# Altium PCB PCB2.PcbDoc (part 5 of 16)
Units mil, origin at the board's own origin, x right, y up, seen from the top; angles counter-clockwise.
Board outline 9200.79 x 4350.6 mil, 4 copper layers (Top Layer, Layer 1, Layer 2, Bottom Layer), stack 23.756 mil thick; 1249 components, 1355 nets, 4549 pads, 1316 vias.
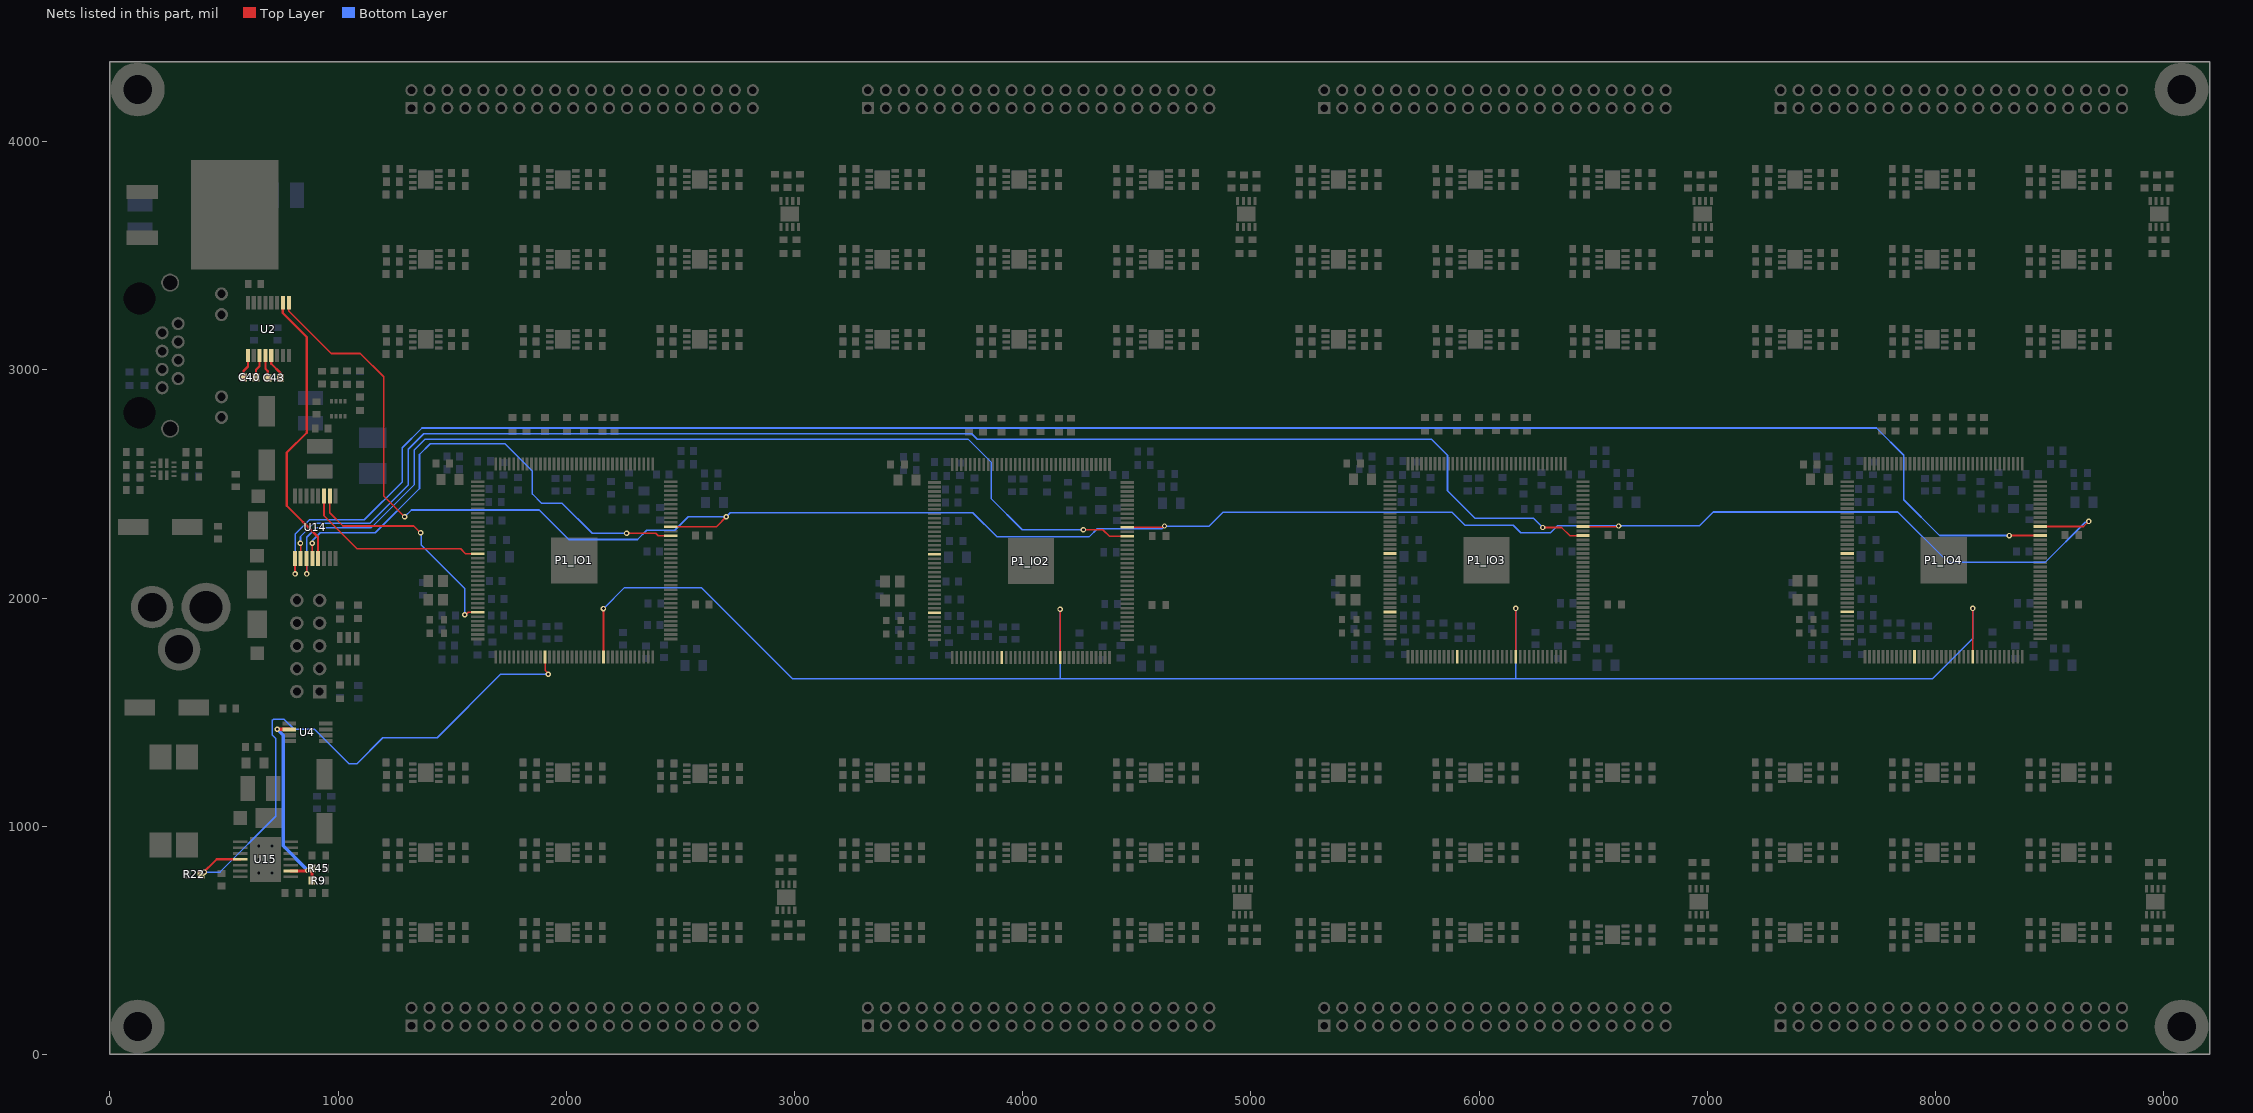
[diagram p7: the nets of this part, all layers, seen from the top]

## Part data
C1_IO1 C1_IO2 C1_IO3 C1_IO4 C4_POWER1 C4_POWER2 C4_POWER3 C4_POWER4 C5_POWER1 C5_POWER2 C5_POWER3 C5_POWER4 C6_POWER1 C6_POWER2 C6_POWER3 C6_POWER4 C9_POWER1 C9_POWER2 C9_POWER3 C9_POWER4 C12_POWER1 C12_POWER2 C12_POWER3 C12_POWER4 C13_POWER1 C13_POWER2 C13_POWER3 C13_POWER4 C15_POWER1 C15_POWER2 C15_POWER3 C15_POWER4 C16_POWER1 C16_POWER2 C16_POWER3 C16_POWER4 C17_POWER1 C17_POWER2 C17_POWER3 C17_POWER4 C23_POWER1 C23_POWER2 C23_POWER3 C23_POWER4 C24_POWER1 C24_POWER2 C24_POWER3 C24_POWER4 C45_POWER1 C45_POWER2 C45_POWER3 C45_POWER4 C48_POWER1 C48_POWER2 C48_POWER3 C48_POWER4 C49_POWER1 C49_POWER2 C49_POWER3 C49_POWER4 C51_POWER1 C51_POWER2 C51_POWER3 C51_POWER4 C52_POWER1 C52_POWER2 C52_POWER3 C52_POWER4 C57_POWER1 C57_POWER2 C57_POWER3 C57_POWER4 C58_POWER1 C58_POWER2 C58_POWER3 C58_POWER4 C59_POWER1 C59_POWER2 C59_POWER3 C59_POWER4 C60_POWER1 C60_POWER2 C60_POWER3 C60_POWER4 C61_POWER1 C61_POWER2 C61_POWER3 C61_POWER4 C62_POWER1 C62_POWER2 C62_POWER3 C62_POWER4 C64_POWER1 C64_POWER2 C64_POWER3 C64_POWER4 C65_POWER1 C65_POWER2 C65_POWER3 C65_POWER4 C66_POWER1 C66_POWER2 C66_POWER3 C66_POWER4 C67_POWER1 C67_POWER2 C67_POWER3 C67_POWER4: library part Cap, "Multilayer Ceramic Capacitors MLCC - SMD/SMT 0603 16VDC 0.1uF 10% X7R AEC-Q200", Mfr="Taiyo Yuden", Mfr Part No=EMK107B7104KAHT, Package=0603, PRICE=0.101, Stockiest=MOUSER, Stockiest Part No=963-EMK107B7104KAHT
C2_POWER1 C2_POWER2 C2_POWER3 C2_POWER4 C3_POWER1 C3_POWER2 C3_POWER3 C3_POWER4 C53_POWER1 C53_POWER2 C53_POWER3 C53_POWER4: library part Cap, "Multilayer Ceramic Capacitors MLCC - SMD/SMT 16V 0.01uF X7R 0603 10% AEC-Q200", Mfr=KEMET, Mfr Part No=C0603C103K4RECAUTO, Package=0603, PRICE=0.151, Stockiest=MOUSER, Stockiest Part No=80-C0603C103K4RECAUT
C7_POWER1 C7_POWER2 C7_POWER3 C7_POWER4 C47_POWER1 C47_POWER2 C47_POWER3 C47_POWER4 C54_POWER1 C54_POWER2 C54_POWER3 C54_POWER4 C68_POWER1 C68_POWER2 C68_POWER3 C68_POWER4: library part Cap, "Multilayer Ceramic Capacitors MLCC - SMD/SMT 16V 0.47uF 0603 X7R 5% AEC-Q200", Mfr=KEMET, Mfr Part No=C0603C474J4RACAUTO, Package=0603, PRICE=0.444, Stockiest=MOUSER, Stockiest Part No=80-C0603C474J4RAUTO
C8 C14 C19 C26 C27 C29: library part Cap, "Multilayer Ceramic Capacitors MLCC - SMD/SMT 1210 25VDC 22uF 20% X7R AEC-Q200", Mfr="Taiyo Yuden", Mfr Part No=TMK325B7226MMHP, Package=1210, PRICE=0.807, Stockiest=MOUSER, Stockiest Part No=963-TMK325B7226MMHP
C10_POWER1 C10_POWER2 C10_POWER3 C10_POWER4 C28 C46_POWER1 C46_POWER2 C46_POWER3 C46_POWER4 C55_POWER1 C55_POWER2 C55_POWER3 C55_POWER4 C69_POWER1 C69_POWER2 C69_POWER3 C69_POWER4 C70_POWER1 C70_POWER2 C70_POWER3 C70_POWER4: library part Cap, "Multilayer Ceramic Capacitors MLCC - SMD/SMT 0805 25VDC 10uF 20% X5R", Mfr="Taiyo Yuden", Mfr Part No=TMK212BBJ106MG-T, Package=0805, PRICE=0.232, Stockiest=MOUSER, Stockiest Part No=963-TMK212BBJ106MG-T
C11_POWER1 C11_POWER2 C11_POWER3 C11_POWER4 C56_POWER1 C56_POWER2 C56_POWER3 C56_POWER4 C71_POWER1 C71_POWER2 C71_POWER3 C71_POWER4 C72_POWER1 C72_POWER2 C72_POWER3 C72_POWER4: library part Cap, "Multilayer Ceramic Capacitors MLCC - SMD/SMT 1210 25VDC 22uF 20% X7R AEC-Q200", Mfr=TDK, Mfr Part No=C1608X5R1A226M080AC, Package=0603, PRICE=0.413, Stockiest=MOUSER, Stockiest Part No=810-C1608X5R1A226M
C18: library part Cap, "Multilayer Ceramic Capacitors MLCC - SMD/SMT 16volts 1uF X7R 10%", Mfr=KEMET, Mfr Part No=C0603C105K4RAC7411, Package=0603, PRICE=0.101, Stockiest=MOUSER, Stockiest Part No=80-C0603C105K4RLR
C20 C30 C31 C34_U_VoltageAmplifier11 C34_U_VoltageAmplifier12 C34_U_VoltageAmplifier13 C34_U_VoltageAmplifier14 C34_U_VoltageAmplifier21 C34_U_VoltageAmplifier22 C34_U_VoltageAmplifier23 C34_U_VoltageAmplifier24 C34_U_VoltageAmplifier31 C34_U_VoltageAmplifier32 C34_U_VoltageAmplifier33 C34_U_VoltageAmplifier34 C34_U_VoltageAmplifier41 C34_U_VoltageAmplifier42 C34_U_VoltageAmplifier43 C34_U_VoltageAmplifier44 C34_U_VoltageAmplifier51 C34_U_VoltageAmplifier52 C34_U_VoltageAmplifier53 C34_U_VoltageAmplifier54 C34_U_VoltageAmplifier61 C34_U_VoltageAmplifier62 C34_U_VoltageAmplifier63 C34_U_VoltageAmplifier64 C34_U_VoltageAmplifier71 C34_U_VoltageAmplifier72 C34_U_VoltageAmplifier73 C34_U_VoltageAmplifier74 C34_U_VoltageAmplifier81 C34_U_VoltageAmplifier82 C34_U_VoltageAmplifier83 C34_U_VoltageAmplifier84 C34_U_VoltageAmplifier91 C34_U_VoltageAmplifier92 C34_U_VoltageAmplifier93 C34_U_VoltageAmplifier94 C34_U_VoltageAmplifier101 C34_U_VoltageAmplifier102 C34_U_VoltageAmplifier103 C34_U_VoltageAmplifier104 C34_U_VoltageAmplifier111 C34_U_VoltageAmplifier112 C34_U_VoltageAmplifier113 C34_U_VoltageAmplifier114 C34_U_VoltageAmplifier121 C34_U_VoltageAmplifier122 C34_U_VoltageAmplifier123 C34_U_VoltageAmplifier124 C34_U_VoltageAmplifier131 C34_U_VoltageAmplifier132 C34_U_VoltageAmplifier133 C34_U_VoltageAmplifier134 C34_U_VoltageAmplifier141 C34_U_VoltageAmplifier142 C34_U_VoltageAmplifier143 C34_U_VoltageAmplifier144 C34_U_VoltageAmplifier151 C34_U_VoltageAmplifier152 C34_U_VoltageAmplifier153 C34_U_VoltageAmplifier154 C34_U_VoltageAmplifier161 C34_U_VoltageAmplifier162 C34_U_VoltageAmplifier163 C34_U_VoltageAmplifier164 C34_U_VoltageAmplifier171 C34_U_VoltageAmplifier172 C34_U_VoltageAmplifier173 C34_U_VoltageAmplifier174 C34_U_VoltageAmplifier181 C34_U_VoltageAmplifier182 C34_U_VoltageAmplifier183 C34_U_VoltageAmplifier184 C34_U_VoltageAmplifier191 C34_U_VoltageAmplifier192 C34_U_VoltageAmplifier193 C34_U_VoltageAmplifier194 C34_U_VoltageAmplifier201 C34_U_VoltageAmplifier202 C34_U_VoltageAmplifier203 C34_U_VoltageAmplifier204 C34_U_VoltageAmplifier211 C34_U_VoltageAmplifier212 C34_U_VoltageAmplifier213 C34_U_VoltageAmplifier214 C34_U_VoltageAmplifier221 C34_U_VoltageAmplifier222 C34_U_VoltageAmplifier223 C34_U_VoltageAmplifier224 C34_U_VoltageAmplifier231 C34_U_VoltageAmplifier232 C34_U_VoltageAmplifier233 C34_U_VoltageAmplifier234 C34_U_VoltageAmplifier241 C34_U_VoltageAmplifier242 C34_U_VoltageAmplifier243 C34_U_VoltageAmplifier244 C34_U_VoltageAmplifier251 C34_U_VoltageAmplifier252 C34_U_VoltageAmplifier253 C34_U_VoltageAmplifier254 C34_U_VoltageAmplifier261 C34_U_VoltageAmplifier262 C34_U_VoltageAmplifier263 C34_U_VoltageAmplifier264 C34_U_VoltageAmplifier271 C34_U_VoltageAmplifier272 C34_U_VoltageAmplifier273 C34_U_VoltageAmplifier274 C34_U_VoltageAmplifier281 C34_U_VoltageAmplifier282 C34_U_VoltageAmplifier283 C34_U_VoltageAmplifier284 C34_U_VoltageAmplifier291 C34_U_VoltageAmplifier292 C34_U_VoltageAmplifier293 C34_U_VoltageAmplifier294 C34_U_VoltageAmplifier301 C34_U_VoltageAmplifier302 C34_U_VoltageAmplifier303 C34_U_VoltageAmplifier304 C34_U_VoltageAmplifier311 C34_U_VoltageAmplifier312 C34_U_VoltageAmplifier313 C34_U_VoltageAmplifier314 C34_U_VoltageAmplifier321 C34_U_VoltageAmplifier322 C34_U_VoltageAmplifier323 C34_U_VoltageAmplifier324 C34_U_VoltageAmplifier331 C34_U_VoltageAmplifier332 C34_U_VoltageAmplifier333 C34_U_VoltageAmplifier334 C34_U_VoltageAmplifier341 C34_U_VoltageAmplifier342 C34_U_VoltageAmplifier343 C34_U_VoltageAmplifier344 C34_U_VoltageAmplifier351 C34_U_VoltageAmplifier352 C34_U_VoltageAmplifier353 C34_U_VoltageAmplifier354 C34_U_VoltageAmplifier361 C34_U_VoltageAmplifier362 C34_U_VoltageAmplifier363 C34_U_VoltageAmplifier364 C34_U_VoltageAmplifier371 C34_U_VoltageAmplifier372 C34_U_VoltageAmplifier373 C34_U_VoltageAmplifier374 C34_U_VoltageAmplifier381 C34_U_VoltageAmplifier382 C34_U_VoltageAmplifier383 C34_U_VoltageAmplifier384 C40 C41 C42 C43 C44: library part Cap, "Multilayer Ceramic Capacitors MLCC - SMD/SMT 50V 0.1uF 0603 X7R 20%", Mfr=KEMET, Mfr Part No=C0603C104M5RACTU, Package=0603, PRICE=0.101, Stockiest=MOUSER, Stockiest Part No=80-C0603C104M5R
C21: library part Cap, "Multilayer Ceramic Capacitors MLCC - SMD/SMT 63V 1000pF 0603 X7R 10% AEC-Q200", Mfr=KEMET, Mfr Part No=80-C0603C102KMREAUTO, Package=0603, PRICE=0.201, Stockiest=MOUSER, Stockiest Part No=C0603C102KMRECAUTO
C22: library part Cap, "Multilayer Ceramic Capacitors MLCC - SMD/SMT 0603 50VDC 6.8nF 5% C0G AEC-Q200", Mfr=TDK, Mfr Part No=CGA3E2C0G1H682J080AE, Package=0603, PRICE=0.363, Stockiest=MOUSER, Stockiest Part No=810-CGA3E2C0G1H682J8
C25 C36 C37 C38 C39: library part Cap, "Multilayer Ceramic Capacitors MLCC - SMD/SMT 50V 10pF 0603 C0G 5% AEC-Q200", Mfr=KEMET, Mfr Part No=C0603C100J5GACAUTO, Package=0603, PRICE=0.192, Stockiest=MOUSER, Stockiest Part No=80-C0603C100J5GAUTO
C32 C74 C75 C77 C78: library part Cap, "Multilayer Ceramic Capacitors MLCC - SMD/SMT 0603 2.2uF 20% 50VDC X5R", Mfr="Murata Electronics", Mfr Part No=GRM188R61H225ME11J, Package=0603, PRICE=0.333, Stockiest=MOUSER, Stockiest Part No=81-GRM188R61H225ME1J
C33 C73 C76 C79: library part "Cap Pol1", "Polarized Capacitor (Radial)", Mfr=Panasonic, Mfr Part No=EEE-FN1J100L, Package=SMD, PRICE=0.484, Stockiest=MOUSER, Stockiest Part No=667-EEE-FN1J100L
C35 C63: library part Cap, "Multilayer Ceramic Capacitors MLCC - SMD/SMT 50V 0.047uF 0603 X7R 10%", Mfr=KEMET, Mfr Part No=C0603C473K5RAC7411, Package=0603, PRICE=0.121, Stockiest=MOUSER, Stockiest Part No=80-C0603C473K5RLR
D1_IO1 D1_IO2 D1_IO3 D1_IO4 D2_IO1 D2_IO2 D2_IO3 D2_IO4 D3: library part LED, "Standard LEDs - SMD Red 631nm 14mcd 5mA", Mfr=Lite-On, Mfr Part No=LTST-C193KRKT-5A, Package=0603, PRICE=0.393, Stockiest=MOUSER, Stockiest Part No=859-LTSTC193KRKT5A
D4 D5 D6 D7: "Schottky Diodes & Rectifiers 8A 100V", Mfr="Vishay General Semiconductor", Mfr Part No=V8PAM10S-M3/H, PRICE=0.39, Stockiest=MOUSER, Stockiest Part No=78-V8PAM10S-M3/H
J1: "Modular Connectors / Ethernet Connectors R/A RJ45 SHEILDED 8 CONT Y/G LEDS", Mfr="Amphenol Commercial Products", Mfr Part No=RJHSE-5381, PRICE=1.77, Stockiest=MOUSER, Stockiest Part No=523-RJHSE-5381
J2: "Connector", Manufacturer_Name="CUI Devices", Mouser Part Number=490-PJ-002BH, Arrow Part Number=PJ-002BH, Arrow Price/Stock=https://www.arrow.com/en/products/pj-002bh/cui-devices, Datasheet Link=https://componentsearchengine.com/Datasheets/1/PJ-002BH.pdf, Height=11mm, Manufacturer_Part_Number=PJ-002BH, Mouser Price/Stock=https://www.mouser.co.uk/ProductDetail/CUI-Devices/PJ-002BH?qs=WyjlAZoYn51nOX1h%2FqpLlg%3D%3D
L1_POWER1 L1_POWER2 L1_POWER3 L1_POWER4 L3_POWER1 L3_POWER2 L3_POWER3 L3_POWER4: library part 0805_IND, "Ferrite Beads 100ohms 1A 60mOhms 0603 Ferrite Chip", Mfr=TDK, Mfr Part No=MPZ1608D101BTA00, Package=0603, PRICE=0.10, Stockiest=MOUSER, Stockiest Part No=810-MPZ1608D101BTA00
L4: library part INDUCTOR, "Fixed Inductors 2.2uH 20% High Temp AEC-Q200", Mfr="Vishay / Dale", Mfr Part No=IHLP1616BZER2R2M5A, PRICE=1.36, Stockiest=MOUSER, Stockiest Part No=70-IHLP1616BZR2R2M5A
L6: library part INDUCTOR, "Fixed Inductors 22uH 2.9A 20% SMD PWR INDUCTOR", Mfr=Sumida, Mfr Part No=CDRH124NP-220MC, PRICE=1.42, Stockiest=MOUSER, Stockiest Part No=851-CDRH124NP-220MC
P1_IO1 P1_IO2 P1_IO3 P1_IO4: "FPGA - Field Programmable Gate Array non-volatile FPGA, 101 I/O, 144EQFP", Mfr="Intel / Altera", Mfr Part No=10M04SCE144C8G, Package=EQFP144, PRICE=11.52, Stockiest=MOUSER, Stockiest Part No=989-10M04SCE144C8G
P3: library part "Header 5X2", "Header, 5-Pin, Dual row", Stockiest=MOUSER
P_E_1 P_E_2 P_E_3 P_E_4 P_O_1 P_O_2 P_O_3 P_O_4: "Headers & Wire Housings 2X20 POS VERT TIN", Mfr="TE Connectivity / AMP", Mfr Part No=2-826942-0, Package=DIN, PRICE=2.5, Stockiest=MOUSER, Stockiest Part No=571-2-826942-0
R1_IO1 R1_IO2 R1_IO3 R1_IO4 R2_IO1 R2_IO2 R2_IO3 R2_IO4 R3_IO1 R3_IO2 R3_IO3 R3_IO4 R4_IO1 R4_IO2 R4_IO3 R4_IO4 R5_IO1 R5_IO2 R5_IO3 R5_IO4 R6_IO1 R6_IO2 R6_IO3 R6_IO4 R7_IO1 R7_IO2 R7_IO3 R7_IO4 R10 R11 R17 R22 R23 R24 R25 R30 R31 R32 R33 R34 R37 R44: library part Res1, "Thick Film Resistors - SMD 0603 10Kohms 1% Anti-Sulfur AEC-Q200", Mfr="ROHM Semiconductor", Mfr Part No=SFR03EZPF1002, Package=0603, PRICE=0.101, Stockiest=MOUSER, Stockiest Part No=755-SFR03EZPF1002
R8_IO1 R8_IO2 R8_IO3 R8_IO4 R21_IO1 R21_IO2 R21_IO3 R21_IO4: library part Res1, "Thick Film Resistors - SMD 1/10Watt 220ohms 5% Commercial Use", Mfr="Vishay / Dale", Mfr Part No=CRCW0603220RJNEAC, Package=0603, PRICE=0.101, Stockiest=MOUSER, Stockiest Part No=71-CRCW0603220RJNEAC
R9: library part Res1, "Thin Film Resistors - SMD 50.5kOhm,0603,0.1%,2 5ppm,63mW,50V", Mfr="KOA Speer", Mfr Part No=RN731JTTD5052B25, Package=0603, PRICE=0.8, Stockiest=MOUSER, Stockiest Part No=660-RN731JTTD5052B25
R12 R13_IO1 R13_IO2 R13_IO3 R13_IO4 R26_U_VoltageAmplifier11 R26_U_VoltageAmplifier12 R26_U_VoltageAmplifier13 R26_U_VoltageAmplifier14 R26_U_VoltageAmplifier21 R26_U_VoltageAmplifier22 R26_U_VoltageAmplifier23 R26_U_VoltageAmplifier24 R26_U_VoltageAmplifier31 R26_U_VoltageAmplifier32 R26_U_VoltageAmplifier33 R26_U_VoltageAmplifier34 R26_U_VoltageAmplifier41 R26_U_VoltageAmplifier42 R26_U_VoltageAmplifier43 R26_U_VoltageAmplifier44 R26_U_VoltageAmplifier51 R26_U_VoltageAmplifier52 R26_U_VoltageAmplifier53 R26_U_VoltageAmplifier54 R26_U_VoltageAmplifier61 R26_U_VoltageAmplifier62 R26_U_VoltageAmplifier63 R26_U_VoltageAmplifier64 R26_U_VoltageAmplifier71 R26_U_VoltageAmplifier72 R26_U_VoltageAmplifier73 R26_U_VoltageAmplifier74 R26_U_VoltageAmplifier81 R26_U_VoltageAmplifier82 R26_U_VoltageAmplifier83 R26_U_VoltageAmplifier84 R26_U_VoltageAmplifier91 R26_U_VoltageAmplifier92 R26_U_VoltageAmplifier93 R26_U_VoltageAmplifier94 R26_U_VoltageAmplifier101 R26_U_VoltageAmplifier102 R26_U_VoltageAmplifier103 R26_U_VoltageAmplifier104 R26_U_VoltageAmplifier111 R26_U_VoltageAmplifier112 R26_U_VoltageAmplifier113 R26_U_VoltageAmplifier114 R26_U_VoltageAmplifier121 R26_U_VoltageAmplifier122 R26_U_VoltageAmplifier123 R26_U_VoltageAmplifier124 R26_U_VoltageAmplifier131 R26_U_VoltageAmplifier132 R26_U_VoltageAmplifier133 R26_U_VoltageAmplifier134 R26_U_VoltageAmplifier141 R26_U_VoltageAmplifier142 R26_U_VoltageAmplifier143 R26_U_VoltageAmplifier144 R26_U_VoltageAmplifier151 R26_U_VoltageAmplifier152 R26_U_VoltageAmplifier153 R26_U_VoltageAmplifier154 R26_U_VoltageAmplifier161 R26_U_VoltageAmplifier162 R26_U_VoltageAmplifier163 R26_U_VoltageAmplifier164 R26_U_VoltageAmplifier171 R26_U_VoltageAmplifier172 R26_U_VoltageAmplifier173 R26_U_VoltageAmplifier174 R26_U_VoltageAmplifier181 R26_U_VoltageAmplifier182 R26_U_VoltageAmplifier183 R26_U_VoltageAmplifier184 R26_U_VoltageAmplifier191 R26_U_VoltageAmplifier192 R26_U_VoltageAmplifier193 R26_U_VoltageAmplifier194 R26_U_VoltageAmplifier201 R26_U_VoltageAmplifier202 R26_U_VoltageAmplifier203 R26_U_VoltageAmplifier204 R26_U_VoltageAmplifier211 R26_U_VoltageAmplifier212 R26_U_VoltageAmplifier213 R26_U_VoltageAmplifier214 R26_U_VoltageAmplifier221 R26_U_VoltageAmplifier222 R26_U_VoltageAmplifier223 R26_U_VoltageAmplifier224 R26_U_VoltageAmplifier231 R26_U_VoltageAmplifier232 R26_U_VoltageAmplifier233 R26_U_VoltageAmplifier234 R26_U_VoltageAmplifier241 R26_U_VoltageAmplifier242 R26_U_VoltageAmplifier243 R26_U_VoltageAmplifier244 R26_U_VoltageAmplifier251 R26_U_VoltageAmplifier252 R26_U_VoltageAmplifier253 R26_U_VoltageAmplifier254 R26_U_VoltageAmplifier261 R26_U_VoltageAmplifier262 R26_U_VoltageAmplifier263 R26_U_VoltageAmplifier264 R26_U_VoltageAmplifier271 R26_U_VoltageAmplifier272 R26_U_VoltageAmplifier273 R26_U_VoltageAmplifier274 R26_U_VoltageAmplifier281 R26_U_VoltageAmplifier282 R26_U_VoltageAmplifier283 R26_U_VoltageAmplifier284 R26_U_VoltageAmplifier291 R26_U_VoltageAmplifier292 R26_U_VoltageAmplifier293 R26_U_VoltageAmplifier294 R26_U_VoltageAmplifier301 R26_U_VoltageAmplifier302 R26_U_VoltageAmplifier303 R26_U_VoltageAmplifier304 R26_U_VoltageAmplifier311 R26_U_VoltageAmplifier312 R26_U_VoltageAmplifier313 R26_U_VoltageAmplifier314 R26_U_VoltageAmplifier321 R26_U_VoltageAmplifier322 R26_U_VoltageAmplifier323 R26_U_VoltageAmplifier324 R26_U_VoltageAmplifier331 R26_U_VoltageAmplifier332 R26_U_VoltageAmplifier333 R26_U_VoltageAmplifier334 R26_U_VoltageAmplifier341 R26_U_VoltageAmplifier342 R26_U_VoltageAmplifier343 R26_U_VoltageAmplifier344 R26_U_VoltageAmplifier351 R26_U_VoltageAmplifier352 R26_U_VoltageAmplifier353 R26_U_VoltageAmplifier354 R26_U_VoltageAmplifier361 R26_U_VoltageAmplifier362 R26_U_VoltageAmplifier363 R26_U_VoltageAmplifier364 R26_U_VoltageAmplifier371 R26_U_VoltageAmplifier372 R26_U_VoltageAmplifier373 R26_U_VoltageAmplifier374 R26_U_VoltageAmplifier381 R26_U_VoltageAmplifier382 R26_U_VoltageAmplifier383 R26_U_VoltageAmplifier384 R28_U_VoltageAmplifier11 R28_U_VoltageAmplifier12 R28_U_VoltageAmplifier13 R28_U_VoltageAmplifier14 R28_U_VoltageAmplifier21 R28_U_VoltageAmplifier22 R28_U_VoltageAmplifier23 R28_U_VoltageAmplifier24 R28_U_VoltageAmplifier31 R28_U_VoltageAmplifier32 R28_U_VoltageAmplifier33 R28_U_VoltageAmplifier34 R28_U_VoltageAmplifier41 R28_U_VoltageAmplifier42 R28_U_VoltageAmplifier43 R28_U_VoltageAmplifier44 R28_U_VoltageAmplifier51 R28_U_VoltageAmplifier52 R28_U_VoltageAmplifier53 R28_U_VoltageAmplifier54 R28_U_VoltageAmplifier61 R28_U_VoltageAmplifier62 R28_U_VoltageAmplifier63 R28_U_VoltageAmplifier64 R28_U_VoltageAmplifier71 R28_U_VoltageAmplifier72 R28_U_VoltageAmplifier73 R28_U_VoltageAmplifier74 R28_U_VoltageAmplifier81 R28_U_VoltageAmplifier82 R28_U_VoltageAmplifier83 R28_U_VoltageAmplifier84 R28_U_VoltageAmplifier91 R28_U_VoltageAmplifier92 R28_U_VoltageAmplifier93 R28_U_VoltageAmplifier94 R28_U_VoltageAmplifier101 R28_U_VoltageAmplifier102 R28_U_VoltageAmplifier103 R28_U_VoltageAmplifier104 R28_U_VoltageAmplifier111 R28_U_VoltageAmplifier112 R28_U_VoltageAmplifier113 R28_U_VoltageAmplifier114 R28_U_VoltageAmplifier121 R28_U_VoltageAmplifier122 R28_U_VoltageAmplifier123 R28_U_VoltageAmplifier124 R28_U_VoltageAmplifier131 R28_U_VoltageAmplifier132 R28_U_VoltageAmplifier133 R28_U_VoltageAmplifier134 R28_U_VoltageAmplifier141 R28_U_VoltageAmplifier142 R28_U_VoltageAmplifier143 R28_U_VoltageAmplifier144 R28_U_VoltageAmplifier151 R28_U_VoltageAmplifier152 R28_U_VoltageAmplifier153 R28_U_VoltageAmplifier154 R28_U_VoltageAmplifier161 R28_U_VoltageAmplifier162 R28_U_VoltageAmplifier163 R28_U_VoltageAmplifier164 R28_U_VoltageAmplifier171 R28_U_VoltageAmplifier172 R28_U_VoltageAmplifier173 R28_U_VoltageAmplifier174 R28_U_VoltageAmplifier181 R28_U_VoltageAmplifier182 R28_U_VoltageAmplifier183 R28_U_VoltageAmplifier184 R28_U_VoltageAmplifier191 R28_U_VoltageAmplifier192 R28_U_VoltageAmplifier193 R28_U_VoltageAmplifier194 R28_U_VoltageAmplifier201 R28_U_VoltageAmplifier202 R28_U_VoltageAmplifier203 R28_U_VoltageAmplifier204 R28_U_VoltageAmplifier211 R28_U_VoltageAmplifier212 R28_U_VoltageAmplifier213 R28_U_VoltageAmplifier214 R28_U_VoltageAmplifier221 R28_U_VoltageAmplifier222 R28_U_VoltageAmplifier223 R28_U_VoltageAmplifier224 R28_U_VoltageAmplifier231 R28_U_VoltageAmplifier232 R28_U_VoltageAmplifier233 R28_U_VoltageAmplifier234 R28_U_VoltageAmplifier241 R28_U_VoltageAmplifier242 R28_U_VoltageAmplifier243 R28_U_VoltageAmplifier244 R28_U_VoltageAmplifier251 R28_U_VoltageAmplifier252 R28_U_VoltageAmplifier253 R28_U_VoltageAmplifier254 R28_U_VoltageAmplifier261 R28_U_VoltageAmplifier262 R28_U_VoltageAmplifier263 R28_U_VoltageAmplifier264 R28_U_VoltageAmplifier271 R28_U_VoltageAmplifier272 R28_U_VoltageAmplifier273 R28_U_VoltageAmplifier274 R28_U_VoltageAmplifier281 R28_U_VoltageAmplifier282 R28_U_VoltageAmplifier283 R28_U_VoltageAmplifier284 R28_U_VoltageAmplifier291 R28_U_VoltageAmplifier292 R28_U_VoltageAmplifier293 R28_U_VoltageAmplifier294 R28_U_VoltageAmplifier301 R28_U_VoltageAmplifier302 R28_U_VoltageAmplifier303 R28_U_VoltageAmplifier304 R28_U_VoltageAmplifier311 R28_U_VoltageAmplifier312 R28_U_VoltageAmplifier313 R28_U_VoltageAmplifier314 R28_U_VoltageAmplifier321 R28_U_VoltageAmplifier322 R28_U_VoltageAmplifier323 R28_U_VoltageAmplifier324 R28_U_VoltageAmplifier331 R28_U_VoltageAmplifier332 R28_U_VoltageAmplifier333 R28_U_VoltageAmplifier334 R28_U_VoltageAmplifier341 R28_U_VoltageAmplifier342 R28_U_VoltageAmplifier343 R28_U_VoltageAmplifier344 R28_U_VoltageAmplifier351 R28_U_VoltageAmplifier352 R28_U_VoltageAmplifier353 R28_U_VoltageAmplifier354 R28_U_VoltageAmplifier361 R28_U_VoltageAmplifier362 R28_U_VoltageAmplifier363 R28_U_VoltageAmplifier364 R28_U_VoltageAmplifier371 R28_U_VoltageAmplifier372 R28_U_VoltageAmplifier373 R28_U_VoltageAmplifier374 R28_U_VoltageAmplifier381 R28_U_VoltageAmplifier382 R28_U_VoltageAmplifier383 R28_U_VoltageAmplifier384 R38 R43 R49: library part Res1, "Resistor", Mfr="Vishay / Dale", Mfr Part No=CRCW06031K00FKEAC, Package=0603, PRICE=0.1, Stockiest=MOUSER, Stockiest Part No=71-CRCW06031K00FKEAC
R14_IO1 R14_IO2 R14_IO3 R14_IO4 R20_IO1 R20_IO2 R20_IO3 R20_IO4: library part Res1, "Thick Film Resistors - SMD 1/10Watt 4.7Kohms 5% Commercial Use", Mfr="Vishay / Dale", Mfr Part No=CRCW06034K70JNEAC, Package=0603, PRICE=0.101, Stockiest=MOUSER, Stockiest Part No=71-CRCW06034K70JNEAC
R15: library part Res1, "Thick Film Resistors - SMD 0603 1% 604Kohm Anti-Sulfur AEC-Q200", Mfr=Panasonic, Mfr Part No=ERJ-U03F6043V, Package=0603, PRICE=0.221, Stockiest=MOUSER, Stockiest Part No=667-ERJ-U03F6043V
R16: library part Res1, "Thick Film Resistors - SMD 0603 0.25W 1% 20ohm AEC-Q200", Mfr=Panasonic, Mfr Part No=ERJ-UP3F20R0V, Package=0603, PRICE=0.262, Stockiest=MOUSER, Stockiest Part No=667-ERJ-UP3F20R0V
R18 R36 R42: library part Res1, "Thick Film Resistors - SMD 0603 Anti-Surge Res. 0.1%, 40.2Koh", Mfr=Panasonic, Mfr Part No=ERJ-PB3B4022V, Package=0603, PRICE=0.252, Stockiest=MOUSER, Stockiest Part No=667-ERJ-PB3B4022V
R19: library part Res1, "Thick Film Resistors - SMD 0603 Anti-Surge Res. 0.1%, 7.68Koh", Mfr=Panasonic, Mfr Part No=ERJ-PB3B7681V, Package=0603, PRICE=0.252, Stockiest=MOUSER, Stockiest Part No=667-ERJ-PB3B7681V
R27_U_VoltageAmplifier11 R27_U_VoltageAmplifier12 R27_U_VoltageAmplifier13 R27_U_VoltageAmplifier14 R27_U_VoltageAmplifier21 R27_U_VoltageAmplifier22 R27_U_VoltageAmplifier23 R27_U_VoltageAmplifier24 R27_U_VoltageAmplifier31 R27_U_VoltageAmplifier32 R27_U_VoltageAmplifier33 R27_U_VoltageAmplifier34 R27_U_VoltageAmplifier41 R27_U_VoltageAmplifier42 R27_U_VoltageAmplifier43 R27_U_VoltageAmplifier44 R27_U_VoltageAmplifier51 R27_U_VoltageAmplifier52 R27_U_VoltageAmplifier53 R27_U_VoltageAmplifier54 R27_U_VoltageAmplifier61 R27_U_VoltageAmplifier62 R27_U_VoltageAmplifier63 R27_U_VoltageAmplifier64 R27_U_VoltageAmplifier71 R27_U_VoltageAmplifier72 R27_U_VoltageAmplifier73 R27_U_VoltageAmplifier74 R27_U_VoltageAmplifier81 R27_U_VoltageAmplifier82 R27_U_VoltageAmplifier83 R27_U_VoltageAmplifier84 R27_U_VoltageAmplifier91 R27_U_VoltageAmplifier92 R27_U_VoltageAmplifier93 R27_U_VoltageAmplifier94 R27_U_VoltageAmplifier101 R27_U_VoltageAmplifier102 R27_U_VoltageAmplifier103 R27_U_VoltageAmplifier104 R27_U_VoltageAmplifier111 R27_U_VoltageAmplifier112 R27_U_VoltageAmplifier113 R27_U_VoltageAmplifier114 R27_U_VoltageAmplifier121 R27_U_VoltageAmplifier122 R27_U_VoltageAmplifier123 R27_U_VoltageAmplifier124 R27_U_VoltageAmplifier131 R27_U_VoltageAmplifier132 R27_U_VoltageAmplifier133 R27_U_VoltageAmplifier134 R27_U_VoltageAmplifier141 R27_U_VoltageAmplifier142 R27_U_VoltageAmplifier143 R27_U_VoltageAmplifier144 R27_U_VoltageAmplifier151 R27_U_VoltageAmplifier152 R27_U_VoltageAmplifier153 R27_U_VoltageAmplifier154 R27_U_VoltageAmplifier161 R27_U_VoltageAmplifier162 R27_U_VoltageAmplifier163 R27_U_VoltageAmplifier164 R27_U_VoltageAmplifier171 R27_U_VoltageAmplifier172 R27_U_VoltageAmplifier173 R27_U_VoltageAmplifier174 R27_U_VoltageAmplifier181 R27_U_VoltageAmplifier182 R27_U_VoltageAmplifier183 R27_U_VoltageAmplifier184 R27_U_VoltageAmplifier191 R27_U_VoltageAmplifier192 R27_U_VoltageAmplifier193 R27_U_VoltageAmplifier194 R27_U_VoltageAmplifier201 R27_U_VoltageAmplifier202 R27_U_VoltageAmplifier203 R27_U_VoltageAmplifier204 R27_U_VoltageAmplifier211 R27_U_VoltageAmplifier212 R27_U_VoltageAmplifier213 R27_U_VoltageAmplifier214 R27_U_VoltageAmplifier221 R27_U_VoltageAmplifier222 R27_U_VoltageAmplifier223 R27_U_VoltageAmplifier224 R27_U_VoltageAmplifier231 R27_U_VoltageAmplifier232 R27_U_VoltageAmplifier233 R27_U_VoltageAmplifier234 R27_U_VoltageAmplifier241 R27_U_VoltageAmplifier242 R27_U_VoltageAmplifier243 R27_U_VoltageAmplifier244 R27_U_VoltageAmplifier251 R27_U_VoltageAmplifier252 R27_U_VoltageAmplifier253 R27_U_VoltageAmplifier254 R27_U_VoltageAmplifier261 R27_U_VoltageAmplifier262 R27_U_VoltageAmplifier263 R27_U_VoltageAmplifier264 R27_U_VoltageAmplifier271 R27_U_VoltageAmplifier272 R27_U_VoltageAmplifier273 R27_U_VoltageAmplifier274 R27_U_VoltageAmplifier281 R27_U_VoltageAmplifier282 R27_U_VoltageAmplifier283 R27_U_VoltageAmplifier284 R27_U_VoltageAmplifier291 R27_U_VoltageAmplifier292 R27_U_VoltageAmplifier293 R27_U_VoltageAmplifier294 R27_U_VoltageAmplifier301 R27_U_VoltageAmplifier302 R27_U_VoltageAmplifier303 R27_U_VoltageAmplifier304 R27_U_VoltageAmplifier311 R27_U_VoltageAmplifier312 R27_U_VoltageAmplifier313 R27_U_VoltageAmplifier314 R27_U_VoltageAmplifier321 R27_U_VoltageAmplifier322 R27_U_VoltageAmplifier323 R27_U_VoltageAmplifier324 R27_U_VoltageAmplifier331 R27_U_VoltageAmplifier332 R27_U_VoltageAmplifier333 R27_U_VoltageAmplifier334 R27_U_VoltageAmplifier341 R27_U_VoltageAmplifier342 R27_U_VoltageAmplifier343 R27_U_VoltageAmplifier344 R27_U_VoltageAmplifier351 R27_U_VoltageAmplifier352 R27_U_VoltageAmplifier353 R27_U_VoltageAmplifier354 R27_U_VoltageAmplifier361 R27_U_VoltageAmplifier362 R27_U_VoltageAmplifier363 R27_U_VoltageAmplifier364 R27_U_VoltageAmplifier371 R27_U_VoltageAmplifier372 R27_U_VoltageAmplifier373 R27_U_VoltageAmplifier374 R27_U_VoltageAmplifier381 R27_U_VoltageAmplifier382 R27_U_VoltageAmplifier383 R27_U_VoltageAmplifier384 R29_U_VoltageAmplifier11 R29_U_VoltageAmplifier12 R29_U_VoltageAmplifier13 R29_U_VoltageAmplifier14 R29_U_VoltageAmplifier21 R29_U_VoltageAmplifier22 R29_U_VoltageAmplifier23 R29_U_VoltageAmplifier24 R29_U_VoltageAmplifier31 R29_U_VoltageAmplifier32 R29_U_VoltageAmplifier33 R29_U_VoltageAmplifier34 R29_U_VoltageAmplifier41 R29_U_VoltageAmplifier42 R29_U_VoltageAmplifier43 R29_U_VoltageAmplifier44 R29_U_VoltageAmplifier51 R29_U_VoltageAmplifier52 R29_U_VoltageAmplifier53 R29_U_VoltageAmplifier54 R29_U_VoltageAmplifier61 R29_U_VoltageAmplifier62 R29_U_VoltageAmplifier63 R29_U_VoltageAmplifier64 R29_U_VoltageAmplifier71 R29_U_VoltageAmplifier72 R29_U_VoltageAmplifier73 R29_U_VoltageAmplifier74 R29_U_VoltageAmplifier81 R29_U_VoltageAmplifier82 R29_U_VoltageAmplifier83 R29_U_VoltageAmplifier84 R29_U_VoltageAmplifier91 R29_U_VoltageAmplifier92 R29_U_VoltageAmplifier93 R29_U_VoltageAmplifier94 R29_U_VoltageAmplifier101 R29_U_VoltageAmplifier102 R29_U_VoltageAmplifier103 R29_U_VoltageAmplifier104 R29_U_VoltageAmplifier111 R29_U_VoltageAmplifier112 R29_U_VoltageAmplifier113 R29_U_VoltageAmplifier114 R29_U_VoltageAmplifier121 R29_U_VoltageAmplifier122 R29_U_VoltageAmplifier123 R29_U_VoltageAmplifier124 R29_U_VoltageAmplifier131 R29_U_VoltageAmplifier132 R29_U_VoltageAmplifier133 R29_U_VoltageAmplifier134 R29_U_VoltageAmplifier141 R29_U_VoltageAmplifier142 R29_U_VoltageAmplifier143 R29_U_VoltageAmplifier144 R29_U_VoltageAmplifier151 R29_U_VoltageAmplifier152 R29_U_VoltageAmplifier153 R29_U_VoltageAmplifier154 R29_U_VoltageAmplifier161 R29_U_VoltageAmplifier162 R29_U_VoltageAmplifier163 R29_U_VoltageAmplifier164 R29_U_VoltageAmplifier171 R29_U_VoltageAmplifier172 R29_U_VoltageAmplifier173 R29_U_VoltageAmplifier174 R29_U_VoltageAmplifier181 R29_U_VoltageAmplifier182 R29_U_VoltageAmplifier183 R29_U_VoltageAmplifier184 R29_U_VoltageAmplifier191 R29_U_VoltageAmplifier192 R29_U_VoltageAmplifier193 R29_U_VoltageAmplifier194 R29_U_VoltageAmplifier201 R29_U_VoltageAmplifier202 R29_U_VoltageAmplifier203 R29_U_VoltageAmplifier204 R29_U_VoltageAmplifier211 R29_U_VoltageAmplifier212 R29_U_VoltageAmplifier213 R29_U_VoltageAmplifier214 R29_U_VoltageAmplifier221 R29_U_VoltageAmplifier222 R29_U_VoltageAmplifier223 R29_U_VoltageAmplifier224 R29_U_VoltageAmplifier231 R29_U_VoltageAmplifier232 R29_U_VoltageAmplifier233 R29_U_VoltageAmplifier234 R29_U_VoltageAmplifier241 R29_U_VoltageAmplifier242 R29_U_VoltageAmplifier243 R29_U_VoltageAmplifier244 R29_U_VoltageAmplifier251 R29_U_VoltageAmplifier252 R29_U_VoltageAmplifier253 R29_U_VoltageAmplifier254 R29_U_VoltageAmplifier261 R29_U_VoltageAmplifier262 R29_U_VoltageAmplifier263 R29_U_VoltageAmplifier264 R29_U_VoltageAmplifier271 R29_U_VoltageAmplifier272 R29_U_VoltageAmplifier273 R29_U_VoltageAmplifier274 R29_U_VoltageAmplifier281 R29_U_VoltageAmplifier282 R29_U_VoltageAmplifier283 R29_U_VoltageAmplifier284 R29_U_VoltageAmplifier291 R29_U_VoltageAmplifier292 R29_U_VoltageAmplifier293 R29_U_VoltageAmplifier294 R29_U_VoltageAmplifier301 R29_U_VoltageAmplifier302 R29_U_VoltageAmplifier303 R29_U_VoltageAmplifier304 R29_U_VoltageAmplifier311 R29_U_VoltageAmplifier312 R29_U_VoltageAmplifier313 R29_U_VoltageAmplifier314 R29_U_VoltageAmplifier321 R29_U_VoltageAmplifier322 R29_U_VoltageAmplifier323 R29_U_VoltageAmplifier324 R29_U_VoltageAmplifier331 R29_U_VoltageAmplifier332 R29_U_VoltageAmplifier333 R29_U_VoltageAmplifier334 R29_U_VoltageAmplifier341 R29_U_VoltageAmplifier342 R29_U_VoltageAmplifier343 R29_U_VoltageAmplifier344 R29_U_VoltageAmplifier351 R29_U_VoltageAmplifier352 R29_U_VoltageAmplifier353 R29_U_VoltageAmplifier354 R29_U_VoltageAmplifier361 R29_U_VoltageAmplifier362 R29_U_VoltageAmplifier363 R29_U_VoltageAmplifier364 R29_U_VoltageAmplifier371 R29_U_VoltageAmplifier372 R29_U_VoltageAmplifier373 R29_U_VoltageAmplifier374 R29_U_VoltageAmplifier381 R29_U_VoltageAmplifier382 R29_U_VoltageAmplifier383 R29_U_VoltageAmplifier384: library part Res1, "Thick Film Resistors - SMD 1/10watt 160ohms 1%", Mfr="Vishay / Dale", Mfr Part No=CRCW0603160RFKEA, Package=0603, PRICE=0.1, Stockiest=MOUSER, Stockiest Part No=71-CRCW0603-160-E3
R35 R39 R41 R46: library part Res1, "Thin Film Resistors - SMD 13K ohm 0.1% 25 ppm", Mfr="KOA Speer", Mfr Part No=RN73R1JTTD1302B25, Package=0603, PRICE=0.503, Stockiest=MOUSER, Stockiest Part No=660-RN73R1JTD1302B25
R40: library part Res1, "Thick Film Resistors - SMD 20K OHM .1% 25PPM", Mfr="KOA Speer", Mfr Part No=RS73F1JTTD2002B, Package=0603, PRICE=0.61, Stockiest=MOUSER, Stockiest Part No=660-RS73F1JTTD2002B
R45: library part Res1, "Thin Film Resistors - SMD 180K ohm 0.1% 50 ppm", Mfr="KOA Speer", Mfr Part No=RN73R1JTTD1803B50, Package=0603, PRICE=0.8, Stockiest=MOUSER, Stockiest Part No=660-RN73R1JTD1803B50
R47: library part Res1, "Thick Film Resistors - SMD 0603 5.23Kohms 1% AEC-Q200", Mfr=Panasonic, Mfr Part No=ERJ-3EKF5231V, Package=0603, PRICE=0.101, Stockiest=MOUSER, Stockiest Part No=667-ERJ-3EKF5231V
R48: library part Res1, "Thick Film Resistors - SMD 0603 86.6Kohms 1% AEC-Q200", Mfr=Panasonic, Mfr Part No=ERJ-3EKF8662V, Package=0603, PRICE=0.101, Stockiest=MOUSER, Stockiest Part No=667-ERJ-3EKF8662V
U1_IO1 U1_IO2 U1_IO3 U1_IO4: library part CRYSTAL, "Standard Clock Oscillators 25.0 MHZ 3.3V 50PPM SMD 32", Mfr=ABRACON, Mfr Part No=ASE-25.000MHZ-LC-T, PRICE=1.42, Stockiest=MOUSER, Stockiest Part No=815-ASE25.000MHZLCT
U2: "RS-232 Interface IC 3-5.5V Mult-Ch RS232", Mfr="Texas Instruments", Mfr Part No=MAX3232CPWR, PRICE=0.94, Stockiest=MOUSER, Stockiest Part No=595-MAX3232CPWR
U3: "Switching Voltage Regulators High-Efficiency, 3A, 18V, 1200kHz, Synchronous, Step-Down Converter", Mfr="Monolithic Power Systems (MPS)", Mfr Part No=MP2333HGTL-P, PRICE=1.89, Stockiest=MOUSER, Stockiest Part No=946-MP2333HGTL-P
U4: "Digital Potentiometer ICs Sngl 8B NV I2C Rheo", Mfr="Microchip Technology", Mfr Part No=MCP4562T-503E/MS, PRICE=0.97, Stockiest=MOUSER, Stockiest Part No=579-MCP4562T-503E/MS
U5: "Power Switch ICs - Power Distribution", Mfr="Texas Instruments", Mfr Part No=TPS2121RUXT, PRICE=2.40, Stockiest=MOUSER, Stockiest Part No=595-TPS2121RUXT
U6: "Integrated Circuit", Mfr=STMicroelectronics, Mfr Part No=LD1085D2T33R, PRICE=1.30, Stockiest=MOUSER, Stockiest Part No=511-LD1085D2T33-TR
U8: "ESD Suppressors / TVS Diodes LOW CAP TVS ARRAY 5.5V", Mfr="ON SEMI", Mfr Part No=NUP4114HMR6T1G, PRICE=0.534, Stockiest=MOUSER, Stockiest Part No=863-NUP4114HMR6T1G
U9_U_VoltageAmplifier11 U9_U_VoltageAmplifier12 U9_U_VoltageAmplifier13 U9_U_VoltageAmplifier14 U9_U_VoltageAmplifier21 U9_U_VoltageAmplifier22 U9_U_VoltageAmplifier23 U9_U_VoltageAmplifier24 U9_U_VoltageAmplifier31 U9_U_VoltageAmplifier32 U9_U_VoltageAmplifier33 U9_U_VoltageAmplifier34 U9_U_VoltageAmplifier41 U9_U_VoltageAmplifier42 U9_U_VoltageAmplifier43 U9_U_VoltageAmplifier44 U9_U_VoltageAmplifier51 U9_U_VoltageAmplifier52 U9_U_VoltageAmplifier53 U9_U_VoltageAmplifier54 U9_U_VoltageAmplifier61 U9_U_VoltageAmplifier62 U9_U_VoltageAmplifier63 U9_U_VoltageAmplifier64 U9_U_VoltageAmplifier71 U9_U_VoltageAmplifier72 U9_U_VoltageAmplifier73 U9_U_VoltageAmplifier74 U9_U_VoltageAmplifier81 U9_U_VoltageAmplifier82 U9_U_VoltageAmplifier83 U9_U_VoltageAmplifier84 U9_U_VoltageAmplifier91 U9_U_VoltageAmplifier92 U9_U_VoltageAmplifier93 U9_U_VoltageAmplifier94 U9_U_VoltageAmplifier101 U9_U_VoltageAmplifier102 U9_U_VoltageAmplifier103 U9_U_VoltageAmplifier104 U9_U_VoltageAmplifier111 U9_U_VoltageAmplifier112 U9_U_VoltageAmplifier113 U9_U_VoltageAmplifier114 U9_U_VoltageAmplifier121 U9_U_VoltageAmplifier122 U9_U_VoltageAmplifier123 U9_U_VoltageAmplifier124 U9_U_VoltageAmplifier131 U9_U_VoltageAmplifier132 U9_U_VoltageAmplifier133 U9_U_VoltageAmplifier134 U9_U_VoltageAmplifier141 U9_U_VoltageAmplifier142 U9_U_VoltageAmplifier143 U9_U_VoltageAmplifier144 U9_U_VoltageAmplifier151 U9_U_VoltageAmplifier152 U9_U_VoltageAmplifier153 U9_U_VoltageAmplifier154 U9_U_VoltageAmplifier161 U9_U_VoltageAmplifier162 U9_U_VoltageAmplifier163 U9_U_VoltageAmplifier164 U9_U_VoltageAmplifier171 U9_U_VoltageAmplifier172 U9_U_VoltageAmplifier173 U9_U_VoltageAmplifier174 U9_U_VoltageAmplifier181 U9_U_VoltageAmplifier182 U9_U_VoltageAmplifier183 U9_U_VoltageAmplifier184 U9_U_VoltageAmplifier191 U9_U_VoltageAmplifier192 U9_U_VoltageAmplifier193 U9_U_VoltageAmplifier194 U9_U_VoltageAmplifier201 U9_U_VoltageAmplifier202 U9_U_VoltageAmplifier203 U9_U_VoltageAmplifier204 U9_U_VoltageAmplifier211 U9_U_VoltageAmplifier212 U9_U_VoltageAmplifier213 U9_U_VoltageAmplifier214 U9_U_VoltageAmplifier221 U9_U_VoltageAmplifier222 U9_U_VoltageAmplifier223 U9_U_VoltageAmplifier224 U9_U_VoltageAmplifier231 U9_U_VoltageAmplifier232 U9_U_VoltageAmplifier233 U9_U_VoltageAmplifier234 U9_U_VoltageAmplifier241 U9_U_VoltageAmplifier242 U9_U_VoltageAmplifier243 U9_U_VoltageAmplifier244 U9_U_VoltageAmplifier251 U9_U_VoltageAmplifier252 U9_U_VoltageAmplifier253 U9_U_VoltageAmplifier254 U9_U_VoltageAmplifier261 U9_U_VoltageAmplifier262 U9_U_VoltageAmplifier263 U9_U_VoltageAmplifier264 U9_U_VoltageAmplifier271 U9_U_VoltageAmplifier272 U9_U_VoltageAmplifier273 U9_U_VoltageAmplifier274 U9_U_VoltageAmplifier281 U9_U_VoltageAmplifier282 U9_U_VoltageAmplifier283 U9_U_VoltageAmplifier284 U9_U_VoltageAmplifier291 U9_U_VoltageAmplifier292 U9_U_VoltageAmplifier293 U9_U_VoltageAmplifier294 U9_U_VoltageAmplifier301 U9_U_VoltageAmplifier302 U9_U_VoltageAmplifier303 U9_U_VoltageAmplifier304 U9_U_VoltageAmplifier311 U9_U_VoltageAmplifier312 U9_U_VoltageAmplifier313 U9_U_VoltageAmplifier314 U9_U_VoltageAmplifier321 U9_U_VoltageAmplifier322 U9_U_VoltageAmplifier323 U9_U_VoltageAmplifier324 U9_U_VoltageAmplifier331 U9_U_VoltageAmplifier332 U9_U_VoltageAmplifier333 U9_U_VoltageAmplifier334 U9_U_VoltageAmplifier341 U9_U_VoltageAmplifier342 U9_U_VoltageAmplifier343 U9_U_VoltageAmplifier344 U9_U_VoltageAmplifier351 U9_U_VoltageAmplifier352 U9_U_VoltageAmplifier353 U9_U_VoltageAmplifier354 U9_U_VoltageAmplifier361 U9_U_VoltageAmplifier362 U9_U_VoltageAmplifier363 U9_U_VoltageAmplifier364 U9_U_VoltageAmplifier371 U9_U_VoltageAmplifier372 U9_U_VoltageAmplifier373 U9_U_VoltageAmplifier374 U9_U_VoltageAmplifier381 U9_U_VoltageAmplifier382 U9_U_VoltageAmplifier383 U9_U_VoltageAmplifier384: "Gate Drivers Dual 1.5A Low Side Gate Driver", Mfr="IXYS Integrated Circuits", Mfr Part No=IX4427MTR, PRICE=0.97, Stockiest=MOUSER, Stockiest Part No=849-IX4427MTR
U14: "Encoders, Decoders, Multiplexers & Demultiplexers 8-INPUT MULTIPLEXER", Mfr=NEXPERIA, Mfr Part No=74HC151DB,118, PRICE=0.887, Stockiest=MOUSER, Stockiest Part No=771-HC151DB118
U15: library part TPS61175PWP, "Switching Voltage Regulators 3A High Vltg Boost Converter", Mfr="Texas Instruments", Mfr Part No=TPS61175PWPR, PRICE=3.06, Stockiest=MOUSER, Stockiest Part No=595-TPS61175PWPR

## Free pads (board coordinates)
  round 236.22 hole 125.98: ""(122.05,122.05) ""(122.05,4228.35) ""(9078.74,122.05) ""(9078.74,4228.35)

## Via types
v1: diameter 24, hole 12, Top Layer to Bottom Layer, 1316 vias

## Nets (pads, with @x,y where several pads share a name; then routed paths per layer and width w, separated by ;. In a path a pad name is that pad's centre, name@x,y a point inside that pad or via, vN(x,y) a via of type N, cw(c..) or ccw(c..) an arc to the next point about the centre after c; other vN are vias at no path point)
BANK_EN0: P1_IO1.17 U14.11 | length 830.1
  Top Layer w7: U14.11@938.25,2447.61 938.25,2359.95 1082.61,2215.59 1536.86,2215.59 1558.39,2194.06 P1_IO1.17@1611.97,2194.06
BANK_EN0_IO2: P1_IO2.17
BANK_EN0_IO3: P1_IO3.17
BANK_EN0_IO4: P1_IO4.17
BANK_EN1: P1_IO1.30 U14.10 | length 1006.2
  Top Layer w7: U14.10@963.84,2447.61 963.84,2373.01 1021.26,2315.59 1231.26,2315.59 1331.26,2315.59 v1(1361.26,2285.59) ; v1(1555.11,1927.09) 1559.71,1927.09 1570.78,1938.16 P1_IO1.30@1611.97,1938.16
  Bottom Layer w7: v1@1364.6,2284.65 1364.51,2284.56 1364.51,2273.08 1364.6,2272.99 1364.6,2232.25 1555.11,2041.74 v1(1555.11,1927.09)
BANK_EN1_IO2: P1_IO2.30
BANK_EN1_IO3: P1_IO3.30
BANK_EN1_IO4: P1_IO4.30
BANK_EN2_IO1: P1_IO1.48 R22.2 U15.4 | length 2577.6
  Top Layer w7: P1_IO1.48@1906.77,1741.78 1906.77,1682.93 1921.26,1668.44 v1(1921.26,1665.59)
  Top Layer w10: R22.2@398.76,788.99 401.76,788.99 467.62,854.85 U15.4@571.43,854.85
  Bottom Layer w7: v1(414.31,799.01) 482.58,799.01 726.66,1043.08 726.66,1383.95 711.26,1399.34 711.26,1463.78 715.36,1467.88 764.41,1467.88 807.38,1424.91 896.53,1424.91 1048.39,1273.06 1081.26,1273.06 1195.82,1387.62 1433.76,1387.62 1711.73,1665.59 v1(1921.26,1665.59)
BANK_EN2_IO2: P1_IO2.48
BANK_EN2_IO3: P1_IO3.48
BANK_EN2_IO4: P1_IO4.48
C1+: C40.2 U2.1 | length 104.2
  Top Layer w10: C40.2@584.9,2966.69 584.9,2994.83 604.59,3014.52 U2.1@604.59,3062.72
C1-: C40.1 U2.3 | length 102.6
  Top Layer w10: C40.1@640.02,2966.69 640.02,2999.95 655.77,3015.7 U2.3@655.77,3062.72
C2+: C43.2 U2.4 | length 102.2
  Top Layer w10: U2.4@681.36,3062.72 681.36,3004.69 691.96,2994.09 C43.2@691.96,2964.89
C2-: C43.1 U2.5 | length 114.5
  Top Layer w10: U2.5@706.96,3062.72 706.96,3026.7 747.08,2986.57 C43.1@747.08,2964.89
CMD_INT: P1_IO1.61 P1_IO2.61 P1_IO3.61 P1_IO4.61 | length 7884.4
  Top Layer w7: P1_IO1.61@2162.68,1741.78 v1(2162.68,1953.51) v1@2167.46,1958.29 ; P1_IO2.61@4163.78,1739.18 v1(4163.78,1950.91) ; P1_IO3.61@6160.68,1742.63 v1(6160.68,1954.36) v1@6165.46,1959.14 ; P1_IO4.61@8163.68,1742.78 v1(8163.68,1954.51)
  Bottom Layer w7: v1(2162.68,1953.51) 2254.76,2045.59 2591.26,2045.59 2991.26,1645.59 4163.78,1645.59 ; v1(4163.78,1950.91) 4163.78,1645.59 ; v1(6160.68,1954.36) 6160.68,1645.59 ; v1(8163.68,1954.51) 8163.68,1822.9 7986.37,1645.59 6160.68,1645.59 ; 4163.78,1645.59 6160.68,1645.59
CMD_RX: P1_IO1.98 P1_IO2.98 P1_IO3.98 P1_IO4.98 U2.9 | length 9851.6
  Top Layer w7: U2.9@783.73,3294.06 783.73,3257.27 969.67,3071.32 1097.3,3071.32 1199.53,2969.1 1199.53,2447.32 v1(1291.26,2355.59) ; P1_IO1.98@2457.48,2312.17 2657.84,2312.17 v1(2701.26,2355.59) ; P1_IO2.98@4458.58,2309.57 4615.24,2309.57 v1(4621.26,2315.59) ; P1_IO3.98@6455.48,2313.02 6608.69,2313.02 v1(6611.26,2315.59) ; P1_IO4.98@8458.48,2313.17 8648.84,2313.17 v1(8671.26,2335.59)
  Bottom Layer w7: v1(1291.26,2355.59) 1321.26,2385.59 1881.26,2385.59 2010.6,2256.25 2311.92,2256.25 2352.04,2296.37 2474.6,2296.37 2533.82,2355.59 v1(2701.26,2355.59) 2718.86,2373.19 3781.59,2373.19 3885.59,2269.18 4292.16,2269.18 4326.43,2303.45 4608.66,2303.45 4620.8,2315.59 v1(4621.26,2315.59) ; v1@4621.26,2313.63 4815.25,2313.63 4878.26,2376.64 5880.41,2376.64 5937.95,2319.11 6149.83,2319.11 6182.48,2286.45 6312.78,2286.45 6343.41,2317.08 6611.26,2317.08 6965.87,2317.08 7025.58,2376.79 7834.98,2376.79 8054.38,2157.39 8481.61,2157.39 8656.63,2332.4 8668.07,2332.4 v1(8671.26,2335.59)
CMD_TX: U2.10 U14.5 | length 1257.8
  Top Layer w10: U2.10@758.14,3294.06 757.3,3293.22 757.3,3248.95 862.26,3143.99 862.26,2724.61 775.3,2637.65 775.3,2404.1 911.82,2267.59 911.82,2173.81 U14.5@912.66,2172.97
CMD_TX1: P1_IO1.96 U14.4 | length 2137.7
  Top Layer w7: v1(886.1,2240.35) 886.58,2239.86 886.58,2173.45 U14.4@887.06,2172.97 ; v1(2263.78,2283.79) 2391.26,2283.79 2402.25,2272.8 P1_IO1.96@2457.48,2272.8
  Bottom Layer w7: v1(886.1,2240.35) 889.35,2243.6 889.35,2253.14 921.8,2285.59 1162.54,2285.59 1356.65,2479.7 1356.65,2628.72 1403.52,2675.59 1731.26,2675.59 1851.26,2555.59 1851.26,2455.59 1891.26,2415.59 1981.26,2415.59 2113.06,2283.79 v1(2263.78,2283.79)
CMD_TX2: P1_IO2.96 U14.3 | length 4362.3
  Top Layer w7: U14.3@861.47,2172.97 861.96,2172.48 861.96,2106.07 v1(862.44,2105.59) ; v1(4266.07,2298.84) 4351.26,2298.84 4379.9,2270.2 P1_IO2.96@4458.58,2270.2
  Bottom Layer w7: v1(862.44,2105.59) 862.44,2266.77 902.76,2307.09 1144.41,2307.09 1332.88,2495.56 1332.88,2647.31 1382.07,2696.51 3760.34,2696.51 3861.26,2595.59 3861.26,2435.59 3998.01,2298.84 v1(4266.07,2298.84)
CMD_TX3: P1_IO3.96 U14.2 | length 6271.6
  Top Layer w7: v1(834.92,2240.35) 835.4,2239.86 835.4,2173.45 U14.2@835.88,2172.97 ; v1(6279.21,2308.95) 6361.26,2308.95 6396.56,2273.65 P1_IO3.96@6455.48,2273.65
  Bottom Layer w7: v1(834.92,2240.35) 834.92,2269.25 892.44,2326.77 1138.07,2326.77 1306.85,2495.56 1306.85,2651.83 1375.41,2720.39 3776.46,2720.39 3801.26,2695.59 5791.26,2695.59 5861.26,2625.59 5861.26,2470.38 5982.74,2348.9 6239.26,2348.9 v1(6279.21,2308.95)
CMD_TX4: P1_IO4.96 U14.1 | length 8479.1
  Top Layer w7: U14.1@810.29,2172.97 810.78,2172.48 810.78,2106.07 v1(811.26,2105.59) ; v1(8323.45,2273.8) P1_IO4.96@8458.48,2273.8
  Bottom Layer w7: v1(811.26,2105.59) 811.26,2279.76 874.29,2342.79 1115.05,2342.79 1280.83,2508.57 1280.83,2658.31 1367.49,2744.97 7741.88,2744.97 7861.26,2625.59 7861.26,2430.33 8017.79,2273.8 v1(8323.45,2273.8)
FB: R9.1 R45.2 U4.6 U15.9 | length 871.8
  Top Layer w12: U15.9@791.9,803.67 R45.2@886.16,803.67 ; R9.1@885.76,761.32 R45.2@885.76,813.16
  Top Layer w15: v1(733.76,1424.59) U4.6@785.46,1424.59
  Bottom Layer w15: v1(733.76,1424.59) 759.22,1399.13 759.22,914.03 v1(867.36,805.89)